# KiCad board control-logic-midplane.kicad_pcb (continued)
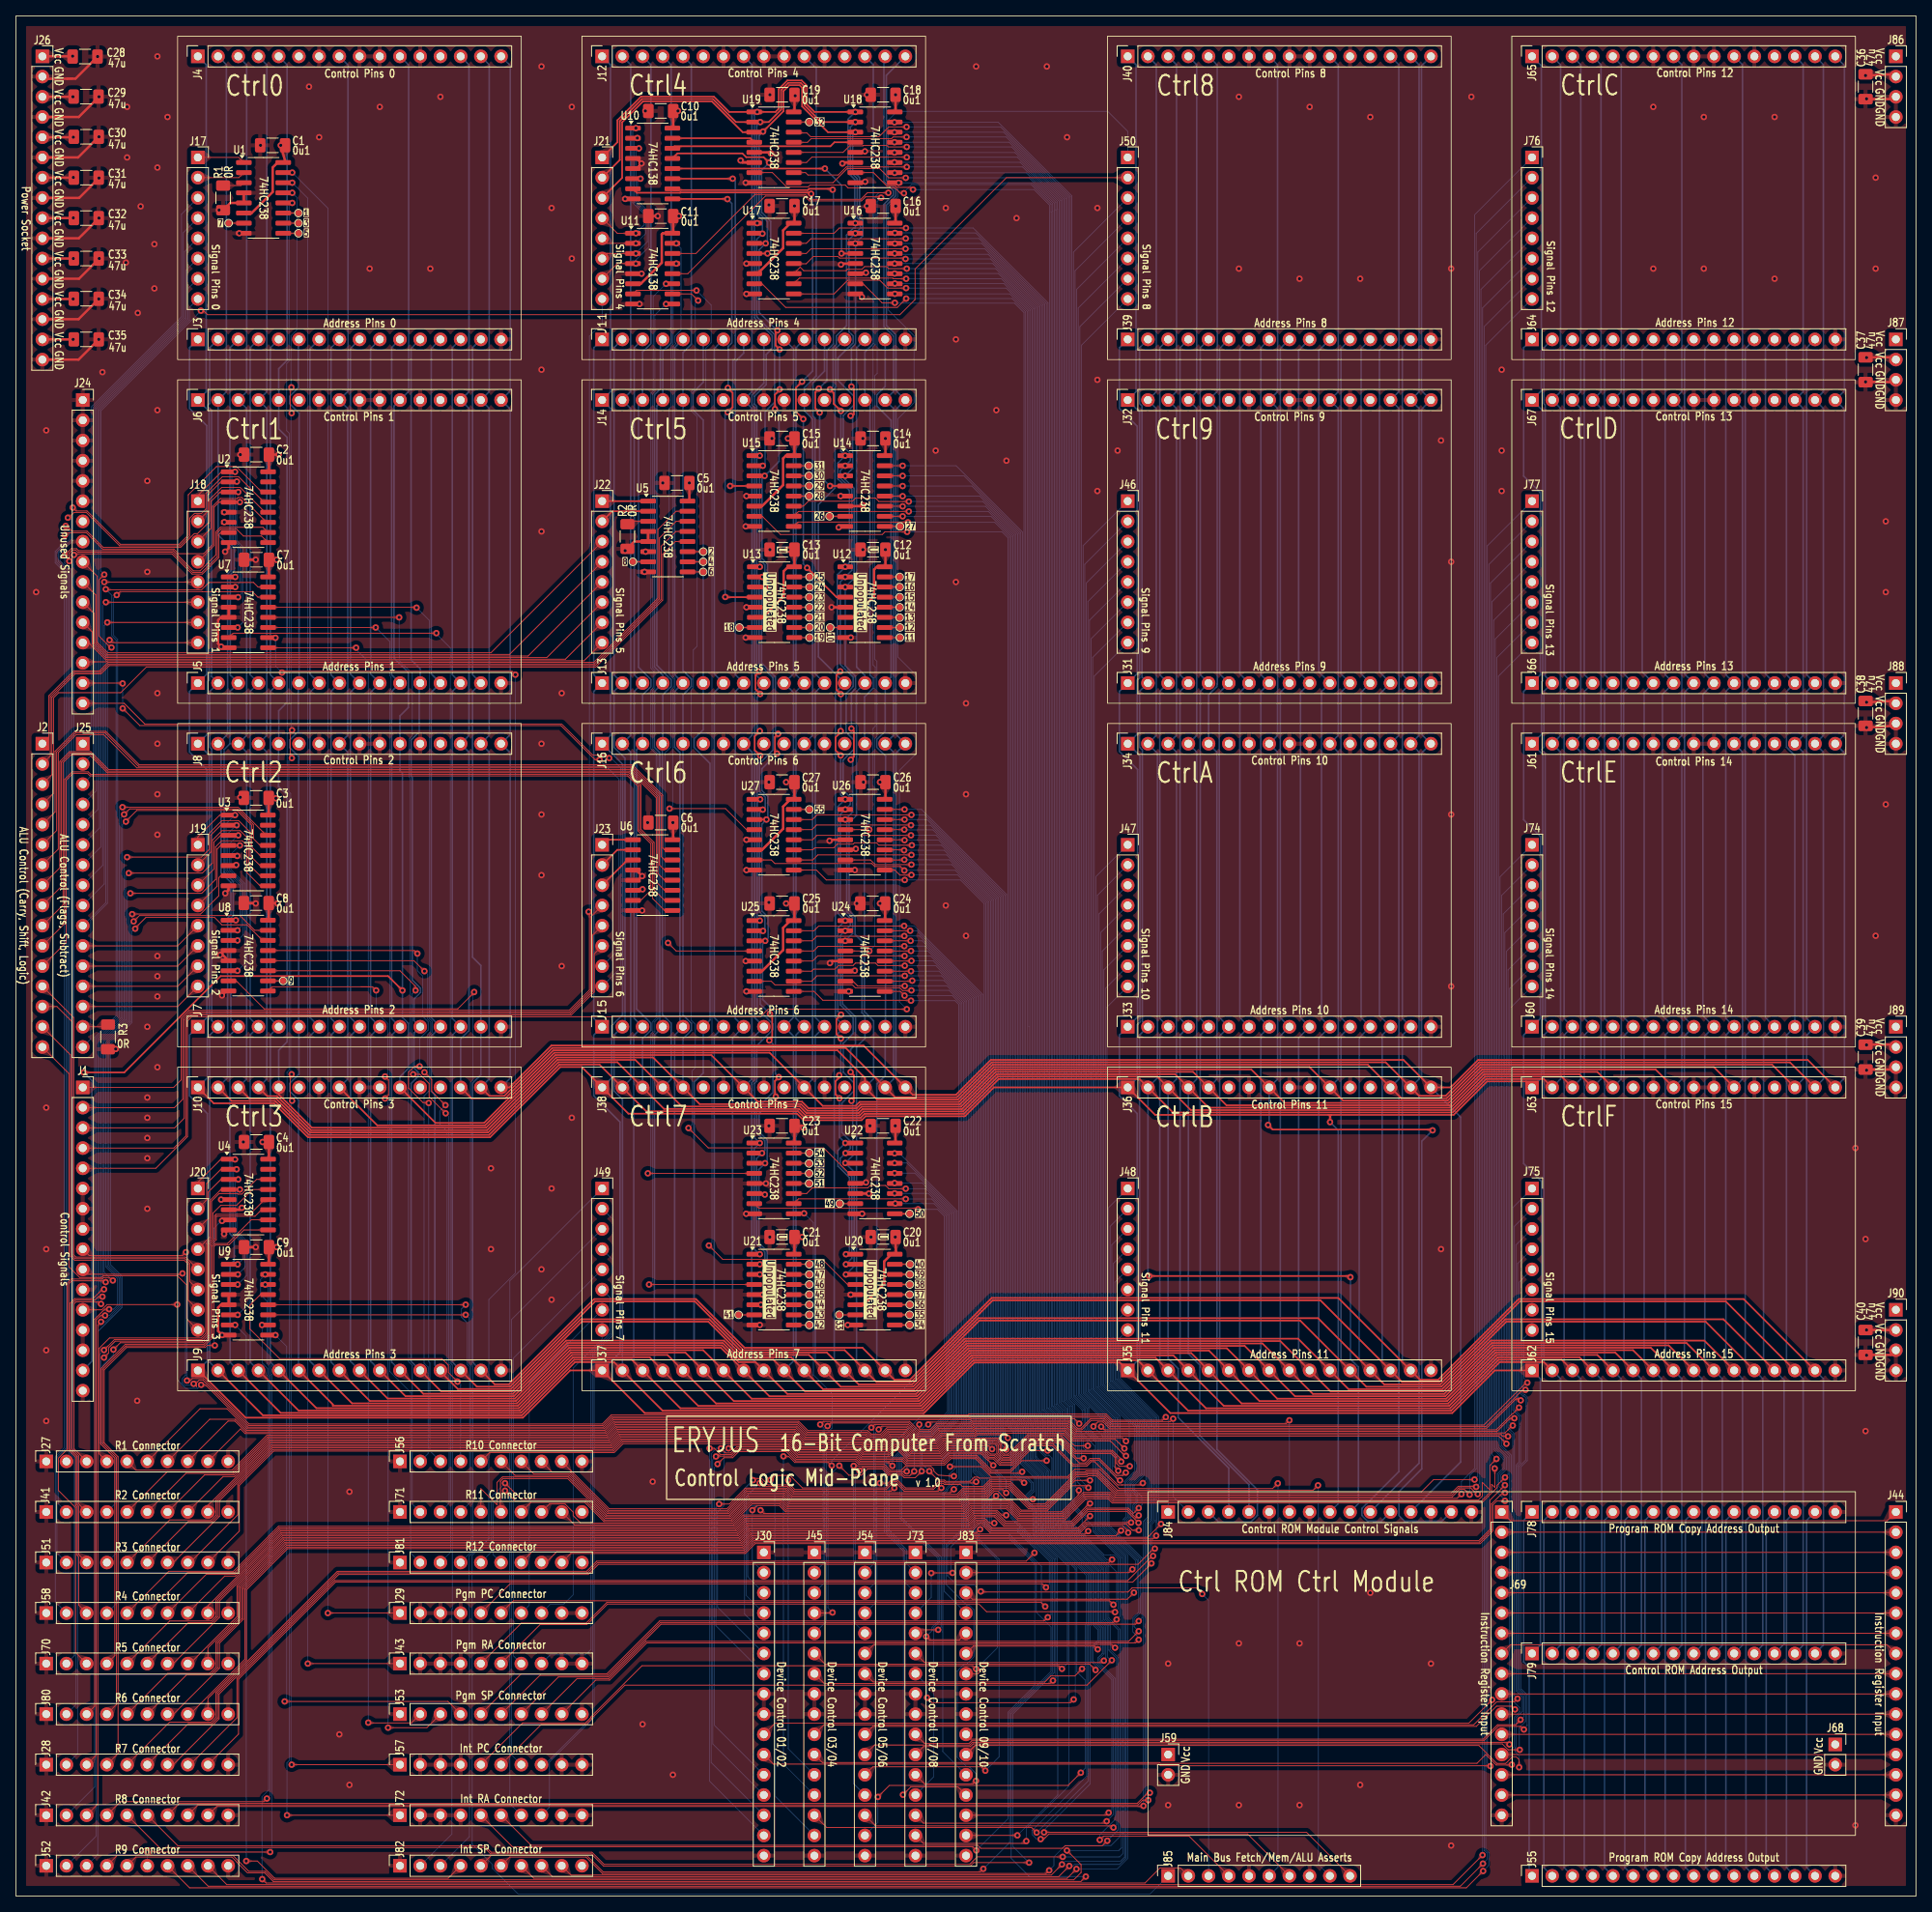
[diagram p0: board, top side]
## Routing (per net, layer and track width the routed paths; a pad name or vN(x,y) marks a point on that pad's centre or on a via; arc(x,y) is an arc through that point) (continued)
SignalALUBusAAssertR5: length 134.3
  Top w0.1: 14.15,128.52 23.42,128.52 24.68,129.79 24.68,132.65 25.89,133.85 28.18,133.85 29.23,132.8 29.23,129.65 30.68,128.19 U3.10 ; J70.3 7.49,30.61 7.49,48.81 5.35,50.95 5.35,55.02 6.44,56.11 6.44,76.99 6.96,77.52 10.84,77.52 11.04,77.72 11.74,77.72 12.12,77.34
  Bottom w0.1: 14.15,128.52 13.79,128.16 13.79,110.09 11.09,107.39 11.09,78.37 12.12,77.34
  vias: v1(12.18,77.35) v1(14.17,128.52)
SignalALUBusAAssertR6: length 134.1
  Top w0.1: v1(11.71,73.74) 11.15,73.74 9.89,72.47 9.89,23.86 J80.3 ; 14.33,125.98 23.34,125.98 25.08,127.73 25.08,131.82 25.85,132.58 28.45,132.58 29.03,132 29.03,128.58 30.68,126.92 U3.9
  Bottom w0.1: v1(11.71,73.74) 12.26,73.74 12.76,74.24 12.76,77.59 11.29,79.06 11.29,107.31 13.99,110 13.99,125.65 14.33,125.98
  vias: v1(14.38,125.98)
SignalALUBusAAssertR7: length 126.6
  Top w0.1: v1(14.6,123.37) 14.62,123.39 23.2,123.39 25.48,125.67 25.48,127.94 25.73,128.19 U3.7 ; v1(11.2,72.95) 10.65,72.95 10.09,72.39 10.09,17.71 J28.3
  Bottom w0.1: v1(11.2,72.95) 11.75,72.95 12.96,74.16 12.96,77.67 11.49,79.14 11.49,107.22 14.19,109.92 14.19,123.08 14.48,123.37 v1(14.6,123.37)
SignalALUBusAAssertR8: length 134.2
  Top w0.1: v1(10.69,72.16) 10.29,71.76 10.29,11.56 J42.3 ; v1(14.79,122.46) 15.52,123.19 28.16,123.19 30.01,121.34 U8.15
  Bottom w0.1: v1(14.79,122.46) 14.39,122.06 14.39,109.84 11.69,107.14 11.69,79.23 13.16,77.75 13.16,74.08 11.25,72.16 v1(10.69,72.16)
SignalALUBusAAssertR9: length 139.3
  Top w0.1: 14.94,121.56 16.33,122.96 24.95,122.96 25.89,122.03 29.04,122.03 31,120.07
  Bottom w0.1: 14.94,121.56 14.59,121.22 14.59,109.76 11.89,107.06 11.89,79.31 13.36,77.84 13.36,73.99 10.29,70.92 10.29,5.21 J52.3
  vias: v1(14.99,121.54)
SignalALUBusAAssertR10: length 86.8
  Top w0.1: 51.87,99.7 51.15,99.7 49.33,101.51 49.33,103.49 50.08,104.24 v1(50.72,104.24) ; v1(50.44,118.41) 50.06,118.8 U8.13
  Bottom w0.1: 51.87,99.7 51.87,67.16 52.02,67.01 52.02,55.93 J56.3 ; v1(50.72,104.24) 50.72,107.73 51.8,108.81 51.8,109.84 51.1,110.54 51.1,115.6 50.44,116.26 v1(50.44,118.41)
  vias: v1(51.87,99.64)
SignalALUBusAAssertR11: length 91.2
  Top w0.1: v1(51.33,103.51) 52.24,102.6 52.24,101.1 v1(53.98,99.36) ; U8.12 50.01,117.53 v1(51.33,116.21)
  Bottom w0.1: v1(51.33,103.51) 51.74,103.91 51.74,108.26 52.14,108.66 52.14,109.78 51.74,110.18 51.74,115.8 v1(51.33,116.21) ; v1(53.98,99.36) 53.26,98.65 53.26,97 54.18,96.09 54.18,66.82 54.44,66.56 54.44,49.36 J71.3
SignalALUBusAAssertR12: length 95
  Top w0.1: U8.11 48.26,116.26 50.22,114.3 v1(50.22,113.79) ; v1(54,98.35) 51.92,100.43 51.92,102.08 50.75,103.25 v1(49.91,103.25)
  Bottom w0.1: v1(49.91,103.25) 49.76,103.4 49.76,113.34 v1(50.22,113.79) ; J81.3 54.64,43.21 54.64,66.65 54.38,66.9 54.38,97.97 v1(54,98.35)
SignalALUBusBAssertBit0: length 20.4
  Top w0.1: v1(27.86,79.38) 26.73,79.38 ; 22.86,89.68 25.76,92.58 26.73,92.58
  Bottom w0.1: 27.48,92.58 27.14,92.24 27.14,83.32 28.58,81.88 28.58,80.09 v1(27.86,79.38)
  vias: v1(27.53,92.56)
SignalALUBusBAssertBit1: length 23.6
  Top w0.1: J20.2 23.98,87.48 23.98,89.53 25.76,91.31 U4.2 27.69,91.31 ; v1(27.89,78.11) U9.2
  Bottom w0.1: 27.69,91.31 27.34,90.97 27.34,83.4 28.78,81.96 28.78,79 v1(27.89,78.11)
  vias: v1(27.74,91.31)
SignalALUBusBAssertBit2: length 25.2
  Top w0.1: J20.3 24.18,85.14 24.18,88.46 25.76,90.04 U4.3 v1(27.94,90.04) ; v1(27.86,76.84) U9.3
  Bottom w0.1: v1(27.94,90.04) 27.54,89.64 27.54,83.48 28.98,82.04 28.98,77.95 v1(27.86,76.84)
SignalALUBusBAssertBit3: length 29.2
  Top w0.1: J20.4 24.38,82.8 24.38,87.39 25.76,88.77 U4.4 28.12,88.77 ; v1(27.86,73.03) U9.6
  Bottom w0.1: v1(27.86,73.03) 29.18,74.34 29.18,82.13 27.74,83.57 27.74,88.4 28.12,88.77
  vias: v1(28.14,88.77)
SignalALUBusBAssertFetch: length 188.1
  Top w0.1: v1(30.95,2.13) 31.43,1.64 141.86,1.64 143.76,3.54 146.32,3.54 J85.2
  Bottom w0.1: v1(30.95,2.13) 30.91,2.16 30.91,12.49 31.74,13.31 31.74,65.34 31.62,65.46 31.62,66.31 30.95,66.99 30.95,71.76
  vias: v1(30.92,71.76)
SignalALUBusBAssertIntSP: length 96.4
  Top w0.1: J82.4 54.31,2.24 32.5,2.24 30.34,4.41 v1(28.94,4.41)
  Bottom w0.1: v1(28.94,4.41) 28.94,70.36 v1(27.54,71.76)
SignalALUBusBAssertPgmSP: length 69.5
  Top w0.1: v1(33.77,24.46) 54.29,24.46 J53.4
  Bottom w0.1: v1(33.77,24.46) 34.02,24.71 34.02,69.06 32.59,70.48
  vias: v1(32.62,70.48)
SignalALUBusBAssertR1: length 54
  Top w0.1: 31.68,90.04 30.23,90.04 28.38,88.19 27.9,88.19 27.83,88.27 25.53,88.27 24.58,87.31 24.58,82.71 23.86,82 23.86,70.71 23.27,70.12 11.76,70.12 10.49,68.85 10.49,55.55 J27.4
SignalALUBusBAssertR2: length 59.3
  Top w0.1: v1(11.07,68.61) 12.38,69.92 23.36,69.92 24.06,70.62 24.06,81.91 24.78,82.63 24.78,85.82 25.74,86.78 27.72,86.78 29.71,88.77 31.68,88.77
  Bottom w0.1: J41.4 12.43,49.26 12.43,55.02 10.49,56.96 10.49,68.03 v1(11.07,68.61)
SignalALUBusBAssertR3: length 64.3
  Top w0.1: v1(11.07,67.66) 11.65,68.24 11.65,68.89 12.49,69.72 23.44,69.72 24.26,70.54 24.26,81.83 24.98,82.55 24.98,85.49 25.14,85.66 29.39,85.66 31.24,87.5
  Bottom w0.1: v1(11.07,67.66) 10.69,67.28 10.69,57.05 12.63,55.11 12.63,43.11 J51.4
SignalALUBusBAssertR4: length 69.3
  Top w0.1: v1(12.24,68.66) 13.11,69.52 23.52,69.52 24.46,70.46 24.46,81.75 25.18,82.47 25.18,85.4 25.19,85.41 30.04,85.41 30.86,86.23
  Bottom w0.1: J58.4 12.83,36.96 12.83,55.19 10.89,57.13 10.89,66.65 12.24,68.01 v1(12.24,68.66)
SignalALUBusBAssertR5: length 73.6
  Top w0.1: J70.4 12.43,30.21 12.43,55.02 10.69,56.76 10.69,66.28 13.74,69.32 23.61,69.32 24.66,70.37 24.66,81.67 24.98,81.99 26.59,81.99 29.57,84.96 31.68,84.96
SignalALUBusBAssertR6: length 79.2
  Top w0.1: 31.68,83.69 28.65,83.69 26.74,81.79 25.07,81.79 24.86,81.58 24.86,70.29 23.69,69.12 13.82,69.12 10.89,66.19 10.89,56.85 12.63,55.11 12.63,24.06 J80.4
SignalALUBusBAssertR7: length 82.2
  Top w0.1: v1(24.99,69.18) 24.03,69.18 23.77,68.92 13.9,68.92 11.09,66.11 11.09,56.93 12.83,55.19 12.83,17.91 J28.4
  Bottom w0.1: v1(24.99,69.18) 24.89,69.28 24.89,83.93 25.84,84.88
  vias: v1(25.89,84.83)
SignalALUBusBAssertR8: length 87.7
  Top w0.1: J42.4 13.13,11.86 31.14,11.86 v1(31.53,12.25)
  Bottom w0.1: v1(31.53,12.25) 31.95,12.67 31.95,65.42 31.82,65.54 31.82,66.54 31.85,66.57 31.52,66.9 31.52,74.78 30.74,75.56 30.74,77.48 31.34,78.08
  vias: v1(31.32,78.11)
SignalALUBusBAssertR9: length 93.5
  Top w0.1: J52.4 12.73,5.11 15.29,5.11 16.27,6.09 16.75,6.09 17.31,5.53 v1(31.95,5.53)
  Bottom w0.1: v1(31.32,76.83) 31.72,76.43 31.72,66.99 32.14,66.57 32.02,66.45 32.02,65.63 32.14,65.5 32.14,5.73 v1(31.95,5.53)
SignalALUBusBAssertR10: length 45.4
  Top w0.1: 31.68,75.57 30.71,75.57 29.39,74.25 29.39,71.26 33.12,67.53 53.52,67.53 54.34,66.71 54.34,65.79 v1(55.49,64.63)
  Bottom w0.1: J56.4 55.88,64.25 v1(55.49,64.63)
SignalALUBusBAssertR11: length 52.1
  Top w0.1: 31.68,74.3 56.56,74.3
  Bottom w0.1: v1(56.52,74.31) 55.94,73.73 55.94,72.79 56.72,72.01 56.72,66.82 57.02,66.52 57.02,49.4 J71.4
SignalALUBusBAssertR12: length 56.8
  Top w0.1: 31.68,73.03 56.57,73.03
  Bottom w0.1: 56.57,73.03 56.92,72.68 56.92,66.9 57.22,66.6 57.22,43.25 J81.4
  vias: v1(56.52,73.03)
SignalALULogicBit0: length 3.2
  Top w0.2: 77.54,132.72 74.3,132.72
SignalALULogicBit1: length 4.7
  Top w0.2: J23.2 75.57,131.45 U6.2
SignalALULogicBit2: length 4.5
  Top w0.2: 76.84,130.18 J23.3
SignalALULogicResultBit0: length 51.7
  Top w0.1: J2.13 7.26,110.36 7.26,80.57 7.55,80.28 21.32,80.28 J20.5
SignalALULogicResultBit1: length 52.8
  Top w0.1: J20.6 21.86,77.2 21.86,79.46 21.24,80.08 7.46,80.08 7.06,80.49 7.06,109.85 5.15,111.76 J2.14
SignalALULogicResultBit2: length 51.7
  Top w0.1: J20.7 21.66,74.86 21.66,79.37 21.15,79.88 7.38,79.88 6.86,80.4 6.86,105.68 J2.15
SignalALULogicResultBit3: length 51.1
  Top w0.1: J20.8 21.46,72.52 21.46,76.76 20.29,77.93 10.96,77.93 10.76,77.72 8.01,77.72 6.66,79.07 6.66,103.34 J2.16
SignalAluLogicShiftLeft: length 106.2
  Top w0.1: J2.8 5.52,129.2 5.52,142.56 6.74,143.78 9.4,143.78 11.64,141.54 77.19,141.54 80.66,138.07 80.66,128.49 81.51,127.64 U6.12
SignalAluRotateCarryLeft: length 109.6
  Top w0.1: J2.9 5.72,126.86 5.72,142.48 6.82,143.58 9.32,143.58 11.56,141.34 77.11,141.34 80.46,137.99 80.46,127.42 81.51,126.37 U6.11
SignalAluRotateCarryRight: length 112.9
  Top w0.1: 82.48,125.1 81.51,125.1 80.18,126.42 80.18,132.38 78.55,134.01 78.55,139.62 77.03,141.14 11.47,141.14 9.24,143.38 6.91,143.38 5.92,142.39 5.92,124.52 J2.10
SignalAluRotateLeft: length 113.4
  Top w0.1: U6.9 81.51,123.83 79.98,125.35 79.98,132.3 78.35,133.93 78.35,139.53 76.94,140.94 9.4,140.94 9.1,141.24 7.07,141.24 6.12,140.29 6.12,122.18 J2.11
SignalAluRotateRight: length 114
  Top w0.1: 77.54,125.1 78.51,125.1 79.78,126.37 79.78,132.21 78.15,133.84 78.15,139.45 76.86,140.74 9.31,140.74 9.02,141.04 7.15,141.04 6.32,140.21 6.32,119.84 J2.12
SignalAluShiftNone: length 98.5
  Top w0.1: J2.5 4.92,136.22 4.92,143.83 7.42,146.33 11.3,146.33 15.48,142.14 77.44,142.14 81.26,138.32 81.26,131.7 81.51,131.45 U6.15
SignalAluSubtract: length 226.3
  Top w0.1: v1(11.1,166.03) 10.44,165.37 10.44,158.31 11.88,156.87 v1(12.01,156.87) ; J50.2 124.46,215.9 112.98,204.42 112.98,200.58 111.07,198.68 24.08,198.68 23.55,199.21 23.29,199.21
  Bottom w0.1: 23.29,199.21 10.7,186.62 10.7,166.43 v1(11.1,166.03) ; J25.16 9.4,107.68 9.4,122.64 11.5,124.74 11.5,156.44 11.91,156.85
  vias: v1(23.24,199.19)
SignalBreak: length 87.1
  Top w0.1: J1.4 19.84,93.98 21.35,95.49 21.35,110.01 22.02,110.68 69.76,110.68 72.66,113.58 72.66,118.38 J23.6
SignalCarrySelect0: length 100.1
  Top w0.1: U5.15 82.96,173.99 80.67,171.7 80.67,163.07 72.6,155 11.57,155 10.51,153.94 7.27,153.94 4.12,150.79 4.12,145.58
SignalCarrySelect1: length 105.1
  Top w0.1: U5.12 82.85,170.18 81.27,168.59 81.27,162.82 72.85,154.4 16.38,154.4 13.17,151.19 5.37,151.19 4.72,150.55 4.72,138.56 J2.4
SignalCarrySelectBit0: length 5.8
  Top w0.2: J22.1 U5.1
SignalCarrySelectBit1: length 6.3
  Top w0.2: U5.2 74.93,173.99 J22.2
SignalCarrySelectInverted: length 103.8
  Top w0.1: J2.3 4.52,140.9 4.52,150.63 7.43,153.54 10.67,153.54 11.74,154.6 72.76,154.6 81.07,162.91 81.07,169.58 82.93,171.45 U5.13
SignalCarrySelectLast: length 102.5
  Top w0.1: J2.2 4.32,143.24 4.32,150.71 7.35,153.74 10.59,153.74 11.65,154.8 72.68,154.8 80.87,162.99 80.87,170.63 82.96,172.72 U5.14
SignalFetchSuppress: length 87.1
  Top w0.1: J1.2 19.91,99.06 20.95,100.1 20.95,110.18 21.85,111.08 69.59,111.08 72.26,113.75 72.26,123.06 J23.4
SignalInstructionSuppress: length 160.7
  Top w0.1: J1.1 19.81,101.6 20.75,102.54 20.75,110.26 21.77,111.28 69.51,111.28 72.06,113.83 72.06,123.62
  Bottom w0.1: J21.8 73.66,197.58 72.06,195.98 72.06,123.62
  vias: v1(71.96,123.67)
SignalIntPCInc: length 68.8
  Bottom w0.1: J49.4 74.86,80.08 74.86,70.62 72.46,68.22 72.46,22.53 66.44,16.51
SignalIntPCLoad: length 72.5
  Bottom w0.1: J49.3 62.26,72.42 62.26,17.75 J57.7
SignalIntRAInc: length 80.5
  Bottom w0.1: J49.2 75.06,84.96 75.06,70.54 72.66,68.14 72.66,22.5 72.69,22.47 67.04,16.83 67.04,11.16 J72.8
SignalIntRALoad: length 84.1
  Bottom w0.1: J49.1 62.06,77.3 62.06,11.6 J72.7
SignalIntSPDec: length 286.1
  Top w0.1: v1(131.44,3.98) 130.09,2.64 69.75,2.64 J82.9
  Bottom w0.1: J50.3 132.88,206.54 132.88,62.72 134.41,61.2 134.41,58.6 135.94,57.06 135.94,46.05 139.3,42.68 139.3,4.89 138.77,4.36 131.81,4.36 v1(131.44,3.98)
SignalIntSPInc: length 286.4
  Top w0.1: J82.8 67.41,2.44 131.02,2.44 v1(132.36,3.78)
  Bottom w0.1: v1(132.36,3.78) 132.81,3.78 133.02,3.99 138.68,3.99 139.5,4.81 139.5,42.77 136.14,46.13 136.14,57.15 134.6,58.68 134.6,61.28 133.08,62.8 133.08,204.2 J50.4
SignalIntSPLoad: length 286.8
  Top w0.1: v1(133.26,3.41) 132.09,2.24 65.07,2.24 J82.7
  Bottom w0.1: v1(133.26,3.41) 138.38,3.41 139.7,4.73 139.7,42.85 136.34,46.22 136.34,57.23 134.8,58.76 134.8,61.37 133.28,62.89 133.28,201.86 J50.5
SignalLeaveIntContext: length 87.2
  Top w0.1: J1.3 19.94,96.52 21.15,97.73 21.15,110.1 21.94,110.88 69.68,110.88 72.46,113.66 72.46,120.72 J23.5
SignalMainBusAssertALUResult: length 172.7
  Top w0.1: U24.9 111.12,113.67 v1(111.66,113.13) ; v1(163.61,51.61) 163,51 138.4,51 135.99,53.41 134.47,53.41 134.37,53.31 133.05,53.31 132.26,52.51 121.03,52.51 120.9,52.64 120.42,52.64 119.89,52.11 116.85,52.11 116.69,52.26 115.88,52.26 v1(114.76,53.38)
  Bottom w0.1: v1(163.61,51.61) 163.66,51.56 163.66,3.98 J85.9 ; v1(111.66,113.13) 117.66,113.13 118.67,112.12 118.67,60.04 115.5,56.88 114.58,56.88 113.86,56.16 113.86,54.28 v1(114.76,53.38)
SignalMainBusAssertBit0: length 350.4
  Top w0.2: v1(103.66,151) 103.09,151.57 103.09,153.38 v1(103.58,153.87) ; v1(103.68,110.74) 103.09,110.15 103.09,108.31 v1(103.66,107.75) ; 103.38,102.77 102.99,102.38 102.99,100.72 v1(103.48,100.23) ; v1(104.29,80.65) U20.1 ; v1(102.29,189.31) 102.75,188.84 102.75,187.5 v1(103.66,186.59) ; v1(93.52,151.03) 92.93,151.62 92.93,153.38 v1(93.42,153.87) ; v1(93.52,143.28) 92.83,143.97 92.83,145.71 93.42,146.3 ; U19.1 95.44,224.16 95.84,224.56 95.84,227.03 96.93,228.11 98.72,228.11 99.39,227.45 99.39,225.1 100.34,224.16 v1(105.48,224.16) ; v1(93.14,224.16) 89.62,224.16 87.69,226.08 78.55,226.08 75.57,223.11 75.57,220.35 J21.1 ; v1(104.22,94.62) U22.1 ; v1(103.63,143.31) 102.99,143.95 102.99,145.59 103.61,146.2
  Bottom w0.2: v1(93.52,143.28) 93.13,142.89 93.13,138.19 v1(93.52,137.8) 93.13,137.4 93.13,122.9 v1(93.47,122.56) 93.13,122.21 93.13,111.55 95.13,109.55 95.13,108.89 93.09,106.85 93.09,102.4 92.79,102.1 92.79,95.3 v1(93.47,94.62) 92.76,93.9 92.76,81.31 93.42,80.65 ; v1(93.42,153.87) 93.09,154.2 93.09,166.62 v1(93.47,167.01) 93.09,167.39 93.09,180.59 v1(93.47,180.98) 93.09,181.36 93.09,187.16 92.79,187.46 92.79,188.42 94.28,189.91 94.28,193.69 95.03,194.44 95.03,196.05 92.79,198.29 92.79,209.83 v1(93.14,210.19) 92.79,210.54 92.79,223.8 v1(93.14,224.16) ; v1(103.58,153.87) 103.22,154.23 103.22,166.02 v1(104.2,167.01) 104.73,167.53 104.73,176.59 103.28,178.05 103.28,180.05 v1(104.2,180.98) 103.66,181.52 v1(103.66,186.59) ; v1(103.48,100.23) 103.48,95.35 v1(104.22,94.62) 103.29,93.69 103.29,91.72 104.73,90.27 104.73,81.08 v1(104.29,80.65) ; v1(93.52,151.03) 93.13,150.64 93.13,146.6 93.42,146.3 ; v1(103.68,110.74) 103.28,111.15 103.28,121.63 v1(104.2,122.56) 103.28,123.49 103.28,136.87 v1(104.2,137.8) 103.63,138.37 v1(103.63,143.31) ; v1(103.66,151) 103.66,146.25 ; v1(103.66,107.75) 103.66,103.15 ; v1(105.48,224.16) 104.55,223.23 104.55,216.52 105.41,215.65 105.41,210.25 v1(105.48,210.19) 105.48,209.55 105.21,209.55 104.37,208.7 104.37,197.3 103.09,196.01 103.09,194.95 102.69,194.55 102.69,189.71 v1(102.29,189.31)
  vias: v1(93.47,146.38) v1(93.47,80.65) v1(103.45,103.12) v1(103.63,146.38)
SignalMainBusAssertBit1: length 363.7
  Top w0.1: U15.2 v1(93.85,179.71)
  Top w0.2: U25.2 93.85,121.29 v1(93.88,121.26) ; U19.2 90.47,222.89 87.57,225.78 78.67,225.78 75.87,222.98 75.87,218.11 J21.2 ; U23.2 v1(93.75,93.35) ; v1(93.85,136.5) 93.83,136.53 92.78,136.53 ; v1(104.24,93.35) U22.2 ; U13.2 v1(93.8,165.74) ; v1(105.48,222.89) 101.19,222.89 99.09,224.98 99.09,227.32 98.6,227.81 97.05,227.81 96.14,226.9 96.14,224.43 94.6,222.89 v1(93.52,222.89) ; v1(104.29,79.38) U20.2 ; v1(94.67,107.49) 95.03,107.86 95.03,110.56 v1(94.74,110.85)
  Bottom w0.2: v1(94.74,110.85) 93.53,112.06 93.53,120.91 v1(93.88,121.26) 94.1,121.48 94.1,122.97 93.43,123.64 93.43,136.08 v1(93.85,136.5) 94.15,136.8 94.15,138.06 93.43,138.78 93.43,142.3 95.13,144 95.13,153.06 93.39,154.8 93.39,165.32 v1(93.8,165.74) 94.1,166.03 94.1,167.27 93.45,167.92 93.45,179.3 v1(93.85,179.71) 94.13,179.98 94.13,186.49 95.33,187.68 95.33,196.18 93.09,198.42 93.09,208.15 v1(93.8,208.86) 93.8,210.59 93.09,211.3 93.09,222.45 v1(93.52,222.89) ; v1(105.48,222.89) 104.84,222.26 104.84,216.64 105.71,215.78 105.71,210.84 106.11,210.45 106.11,209.55 v1(105.48,208.92) 104.67,208.11 104.67,196.53 105.19,196.01 105.19,195.15 103.29,193.25 103.29,190.44 105.29,188.44 105.29,187.81 105.28,187.81 105.28,187.32 103.96,186 103.96,182.11 104.84,181.24 104.84,180.34 v1(104.2,179.71) 103.58,179.08 103.58,178.17 105.03,176.72 105.03,166.56 v1(104.2,165.74) 103.58,165.11 103.58,154.77 105.19,153.16 105.19,151.97 104.32,151.09 104.32,146.23 105.29,145.26 105.29,144.07 103.93,142.72 103.93,138.96 104.84,138.06 104.84,137.16 v1(104.2,136.53) 103.58,135.9 103.58,124.08 104.84,122.82 104.84,121.92 v1(104.2,121.29) 103.58,120.66 103.58,111.97 105.19,110.35 105.19,108.39 103.96,107.16 103.96,103.51 105.29,102.18 105.29,101.12 103.78,99.61 103.78,95.94 104.85,94.88 104.85,93.95 v1(104.24,93.35) 103.59,92.69 103.59,91.84 105.03,90.4 105.03,80.11 v1(104.29,79.38) ; v1(94.67,107.49) 95.13,107.03 95.13,100.97 93.09,98.93 93.09,95.89 94.1,94.88 94.1,93.7 v1(93.75,93.35) 93.06,92.65 93.06,81.95 93.73,81.28 94.1,80.91 94.1,80.01 v1(93.47,79.38)
SignalMainBusAssertBit2: length 367.3
  Top w0.1: 95.48,100.48 95.42,100.54
  Top w0.2: v1(104.29,78.11) U20.3 ; 105.18,186.06 105.29,186.16 105.29,189.35 v1(104.98,189.66) ; U17.3 v1(94.21,207.65) ; 95.96,189.23 95.37,188.64 95.37,186.82 v1(95.38,186.82) ; v1(95.63,143.54) 95.37,143.8 95.37,145.62 v1(95.77,146.02) ; U13.3 v1(94.16,164.47) ; v1(95.96,194.31) 95.47,194.8 95.47,196.46 95.68,196.67 ; v1(104.22,92.1) 105.45,92.1 ; v1(95.86,102.9) 95.37,102.41 95.37,100.59 95.42,100.54 ; v1(93.88,221.69) 96.44,224.25 96.44,226.78 97.18,227.51 98.48,227.51 98.79,227.2 98.79,224.86 102.03,221.62 v1(105.48,221.62) ; 93.75,221.62 U19.3 91.31,221.62 87.45,225.48 78.8,225.48 76.17,222.86 76.17,215.87 J21.3 ; U23.3 v1(94.13,92.08) ; U27.3 v1(94.31,135.26) ; v1(104.99,99.91) 105.29,100.21 105.29,103.12 v1(104.88,103.53) ; U15.3 v1(94.08,178.44) ; v1(104.98,146.69) 105.29,146.37 105.29,143.16 v1(104.9,142.77) ; U25.3 v1(94.16,120.02)
  Bottom w0.1: 94.33,92.27 v1(94.13,92.08) ; 94.38,164.69 v1(94.16,164.47)
  Bottom w0.2: v1(104.98,189.66) 104.98,194.51 105.49,195.02 105.49,207.63 v1(105.48,207.65) 106.41,208.58 106.41,210.57 106.01,210.97 106.01,215.9 105.15,216.77 105.15,221.29 v1(105.48,221.62) ; 93.42,78.11 94.4,79.09 94.4,81.03 93.36,82.08 93.36,91.3 v1(94.13,92.08) 94.4,92.34 94.4,95 93.39,96.01 93.39,98.34 v1(95.48,100.43) ; v1(95.63,143.54) 93.73,141.63 93.73,138.9 94.48,138.15 94.48,135.43 v1(94.31,135.26) 93.73,134.67 93.73,123.76 94.51,122.98 94.51,120.37 v1(94.16,120.02) 93.83,119.69 93.83,112.65 95.43,111.05 95.43,103.33 v1(95.86,102.9) ; v1(104.9,142.77) 105.14,142.54 105.14,136.19 v1(104.2,135.26) 104.39,135.07 104.39,123.68 105.14,122.94 105.14,120.95 v1(104.2,120.02) 103.88,119.69 103.88,112.09 105.49,110.48 105.49,106.98 104.88,106.37 v1(104.88,103.53) ; v1(93.88,221.69) 93.39,221.2 93.39,211.43 94.43,210.39 94.43,207.87 v1(94.21,207.65) 93.39,206.83 93.39,198.96 95.68,196.67 ; v1(104.99,99.91) 105.15,99.63 105.15,93.03 v1(104.22,92.1) 105.33,90.99 105.33,79.14 v1(104.29,78.11) ; v1(95.38,186.82) 95.89,186.31 95.89,180.24 v1(94.08,178.44) 93.75,178.11 93.75,168.04 94.43,167.36 94.43,164.74 v1(94.16,164.47) 93.69,164 93.69,154.92 95.43,153.18 95.43,146.36 v1(95.77,146.02) ; v1(104.98,146.69) 104.98,151.21 105.49,151.72 105.49,153.28 104.2,154.56 v1(104.2,164.47) 105.33,165.59 105.33,176.84 104.2,177.97 v1(104.2,178.44) 105.14,179.37 105.14,185.72 v1(104.88,185.98) ; v1(95.96,194.31) 95.96,189.23
  vias: v1(93.47,78.11) v1(95.68,196.72) v1(95.96,189.31)
SignalMainBusAssertBit3: length 19.1
  Top w0.1: U11.1 75.57,208.92 J21.4
  Bottom w0.1: v1(77.9,222.12) 77.5,221.72 77.5,212.76 78.94,211.32 78.94,209.98 77.88,208.92
  vias: v1(77.9,208.92)
SignalMainBusAssertBit4: length 18.6
  Top w0.1: J21.5 74.3,207.65 U11.2
  Bottom w0.1: v1(77.9,207.65) 79.14,208.88 79.14,211.41 77.7,212.85 77.7,220.5 v1(78.08,220.88)
SignalMainBusAssertBit5: length 18.7
  Top w0.1: J21.6 74.3,206.38 U11.3
  Bottom w0.1: v1(78.28,219.58) 77.9,219.2 77.9,212.93 79.34,211.49 79.34,207.84 77.88,206.38
  vias: v1(77.9,206.38)
SignalMainBusAssertBit6: length 18.2
  Top w0.1: U10.6 78.46,215.77 ; U11.4 75.57,205.11 J21.7
  Bottom w0.1: v1(78.49,215.77) 78.1,215.39 78.1,213.01 79.54,211.57 79.54,207.19 77.8,205.46 77.5,205.46 77.85,205.11
  vias: v1(77.9,205.11)
SignalMainBusAssertCtl01: length 98.8
  Top w0.1: U23.11 99.36,88.27 100.08,88.99 107.05,88.99 107.35,89.28 109.28,89.28 109.68,88.87 v1(111.81,88.87) ; v1(92.61,52.26) 92.83,52.47 93.71,52.47 94.52,51.66 97,51.66 97.78,50.88 109.98,50.88 v1(110.39,51.28)
  Bottom w0.1: v1(111.81,88.87) 114.34,88.87 117.47,85.75 117.47,60.7 114.85,58.08 114.08,58.08 110.92,54.91 110.92,52.35 110.39,51.82 v1(110.39,51.28) ; v1(92.61,52.26) 91.56,51.2 91.56,35.45 J30.5
SignalMainBusAssertCtl02: length 124.1
  Top w0.1: U23.10 98.33,87.6 111.79,87.6 v1(111.81,87.58) ; v1(110.14,54.06) 109.74,54.45 105.98,54.45 105.55,54.88 98.04,54.88 96.87,56.04 90.74,56.04 89.97,55.28 88.46,55.28 88.23,55.5 v1(87.96,55.23)
  Bottom w0.1: v1(110.14,54.06) 110.14,54.69 113.92,58.48 114.68,58.48 117.07,60.87 117.07,85.58 115.07,87.58 v1(111.81,87.58) ; J30.13 87.56,19.12 87.56,54.83 v1(87.96,55.23)
SignalMainBusAssertCtl03: length 56.5
  Top w0.1: v1(99.04,85.78) 98.98,85.73 U23.9
  Bottom w0.1: v1(99.04,85.78) 100.2,84.62 100.2,65.49 102.57,63.12 102.57,58.81 101.84,58.08 101.84,34.53 J45.5
SignalMainBusAssertCtl04: length 112.5
  Top w0.1: v1(96.44,55.26) 97.09,55.26 97.87,54.48 102.12,54.48 v1(102.51,54.08) ; v1(113.36,86.28) 113.2,86.44 93.33,86.44 U23.7
  Bottom w0.1: v1(96.44,55.26) 96.44,16.6 J45.13 ; v1(113.36,86.28) 115.8,86.28 116.67,85.42 116.67,68.86 102.51,54.7 v1(102.51,54.08)
SignalMainBusAssertCtl05: length 75.2
  Top w0.1: v1(105.98,53.46) 106.38,53.85 108.95,53.85 109.73,53.08 111.39,53.08 111.69,52.78 112.28,52.78 v1(112.87,53.37)
  Bottom w0.1: J54.5 105.46,34.24 105.46,52.93 v1(105.98,53.46) ; v1(110.41,93.32) 111.03,93.32 118.27,86.08 118.27,60.21 115.33,57.28 114.41,57.28 112.87,55.73 v1(112.87,53.37)
SignalMainBusAssertCtl06: length 94.8
  Top w0.1: v1(105.26,54.06) 105.27,54.05 109.04,54.05 109.81,53.28 111.86,53.28 v1(111.94,53.36)
  Bottom w0.1: J54.13 105.26,14.12 v1(105.26,54.06) ; 111.96,53.41 111.96,55.1 114.33,57.48 115.25,57.48 118.07,60.29 118.07,86 111.96,92.1 v1(110.41,92.1)
SignalMainBusAssertCtl07: length 69.7
  Top w0.1: v1(115.89,33.46) 113.47,33.46
  Bottom w0.1: v1(115.89,33.46) 116.26,33.83 116.26,42.59 111.32,47.54 111.32,54.74 114.25,57.68 115.01,57.68 117.87,60.53 117.87,85.91 112.95,90.83 v1(110.41,90.83)
SignalMainBusAssertCtl08: length 88.4
  Bottom w0.1: J73.13 115.3,14.98 115.3,33.7 116.06,34.45 116.06,42.51 111.12,47.45 111.12,54.82 114.17,57.88 114.93,57.88 117.67,60.61 117.67,85.83 113.91,89.59 v1(110.41,89.59)
SignalMainBusAssertCtl09: length 74.7
  Top w0.1: v1(114.39,32.61) 114.79,32.21 118.57,32.21 J83.5
  Bottom w0.1: v1(114.39,32.61) 115.11,33.33 115.11,33.78 115.86,34.53 115.86,42.43 114.01,44.28 111.43,44.28 109.74,45.97 109.74,51.46 110.72,52.44 110.72,54.99 114,58.28 114.76,58.28 117.27,60.78 117.27,85.66 114.64,88.29 v1(110.41,88.29)
SignalMainBusAssertCtl10: length 92.7
  Top w0.1: v1(111.46,12.73) 112.43,13.7 118.38,13.7 J83.13
  Bottom w0.1: v1(111.46,12.73) 111.51,12.78 111.51,43.36 109.14,45.73 109.14,55.71 116.87,63.43 116.87,85.5 115.37,87 110.51,87 v1(110.49,87.02)
SignalMainBusAssertDev01: length 129.8
  Top w0.1: v1(93.47,51.89) 93.9,51.46 96.92,51.46 97.7,50.68 117.44,50.68 v1(117.86,51.11) ; v1(111.68,116.89) 108.34,116.89 108.01,117.22 105.5,117.22 105.2,116.93 103.38,116.93 102.91,116.46 100.23,116.46 99.97,116.21 U25.11
  Bottom w0.1: v1(111.68,116.89) 115.6,116.89 119.87,112.62 119.87,59.55 119.86,59.53 119.86,59.01 118.66,57.81 118.66,51.91 v1(117.86,51.11) ; J30.4 91.76,37.79 91.76,50.18 v1(93.47,51.89)
SignalMainBusAssertDev02: length 157.6
  Top w0.1: v1(117.86,52.76) 115.94,52.88 115.73,53.01 115.34,53.4 115.34,53.62 114.98,53.98 111.73,53.98 111.22,53.48 109.89,53.48 109.12,54.25 105.9,54.25 105.47,54.68 97.95,54.68 96.79,55.84 90.82,55.84 90.05,55.08 88.95,55.08 v1(88.16,54.28) ; v1(111.68,115.62) 100.66,115.62 99.97,114.94 97.73,114.94
  Bottom w0.1: v1(88.16,54.28) 87.76,53.88 87.76,21.46 J30.12 ; v1(111.68,115.62) 116.3,115.62 119.47,112.45 119.47,59.71 119.45,59.7 119.45,59.17 118.26,57.98 118.26,53.16 v1(117.86,52.76)
SignalMainBusAssertDev03: length 116.2
  Top w0.1: v1(103.46,54.08) 104.67,52.88 106.23,52.88 107,53.65 108.87,53.65 109.65,52.88 111.31,52.88 111.61,52.58 113.01,52.58 v1(113.81,53.38) ; v1(102.61,35.63) 102.54,35.56 J45.4 ; v1(112.47,112.5) 112.42,112.55 101.39,112.55 100.28,113.67 U25.9
  Bottom w0.1: v1(103.46,54.08) 102.04,52.66 102.04,36.21 v1(102.61,35.63) ; v1(113.81,53.38) 113.66,53.53 113.66,56.24 114.5,57.08 115.42,57.08 118.47,60.13 118.47,112.04 118.01,112.5 v1(112.47,112.5)
SignalMainBusAssertDev04: length 148.5
  Top w0.1: 92.78,114.94 94.92,114.94 95.37,114.49 105.1,114.49 105.47,114.12 111.06,114.12 111.4,113.77 112.5,113.77 v1(112.52,113.79) ; v1(116.29,51.28) 115.89,50.88 111.61,50.88 110.63,51.86 110.14,51.86 109.36,51.08 97.87,51.08 97.09,51.86 97.04,51.86 v1(97.04,52.26)
  Bottom w0.1: v1(112.52,113.79) 117.28,113.79 118.87,112.21 118.87,59.96 118.86,59.95 118.86,59.42 117.66,58.23 117.66,56.13 116.29,54.76 v1(116.29,51.28) ; v1(97.04,52.26) 97.04,18.54 J45.12
